# KiCad board uMule_board.kicad_pcb (continued)
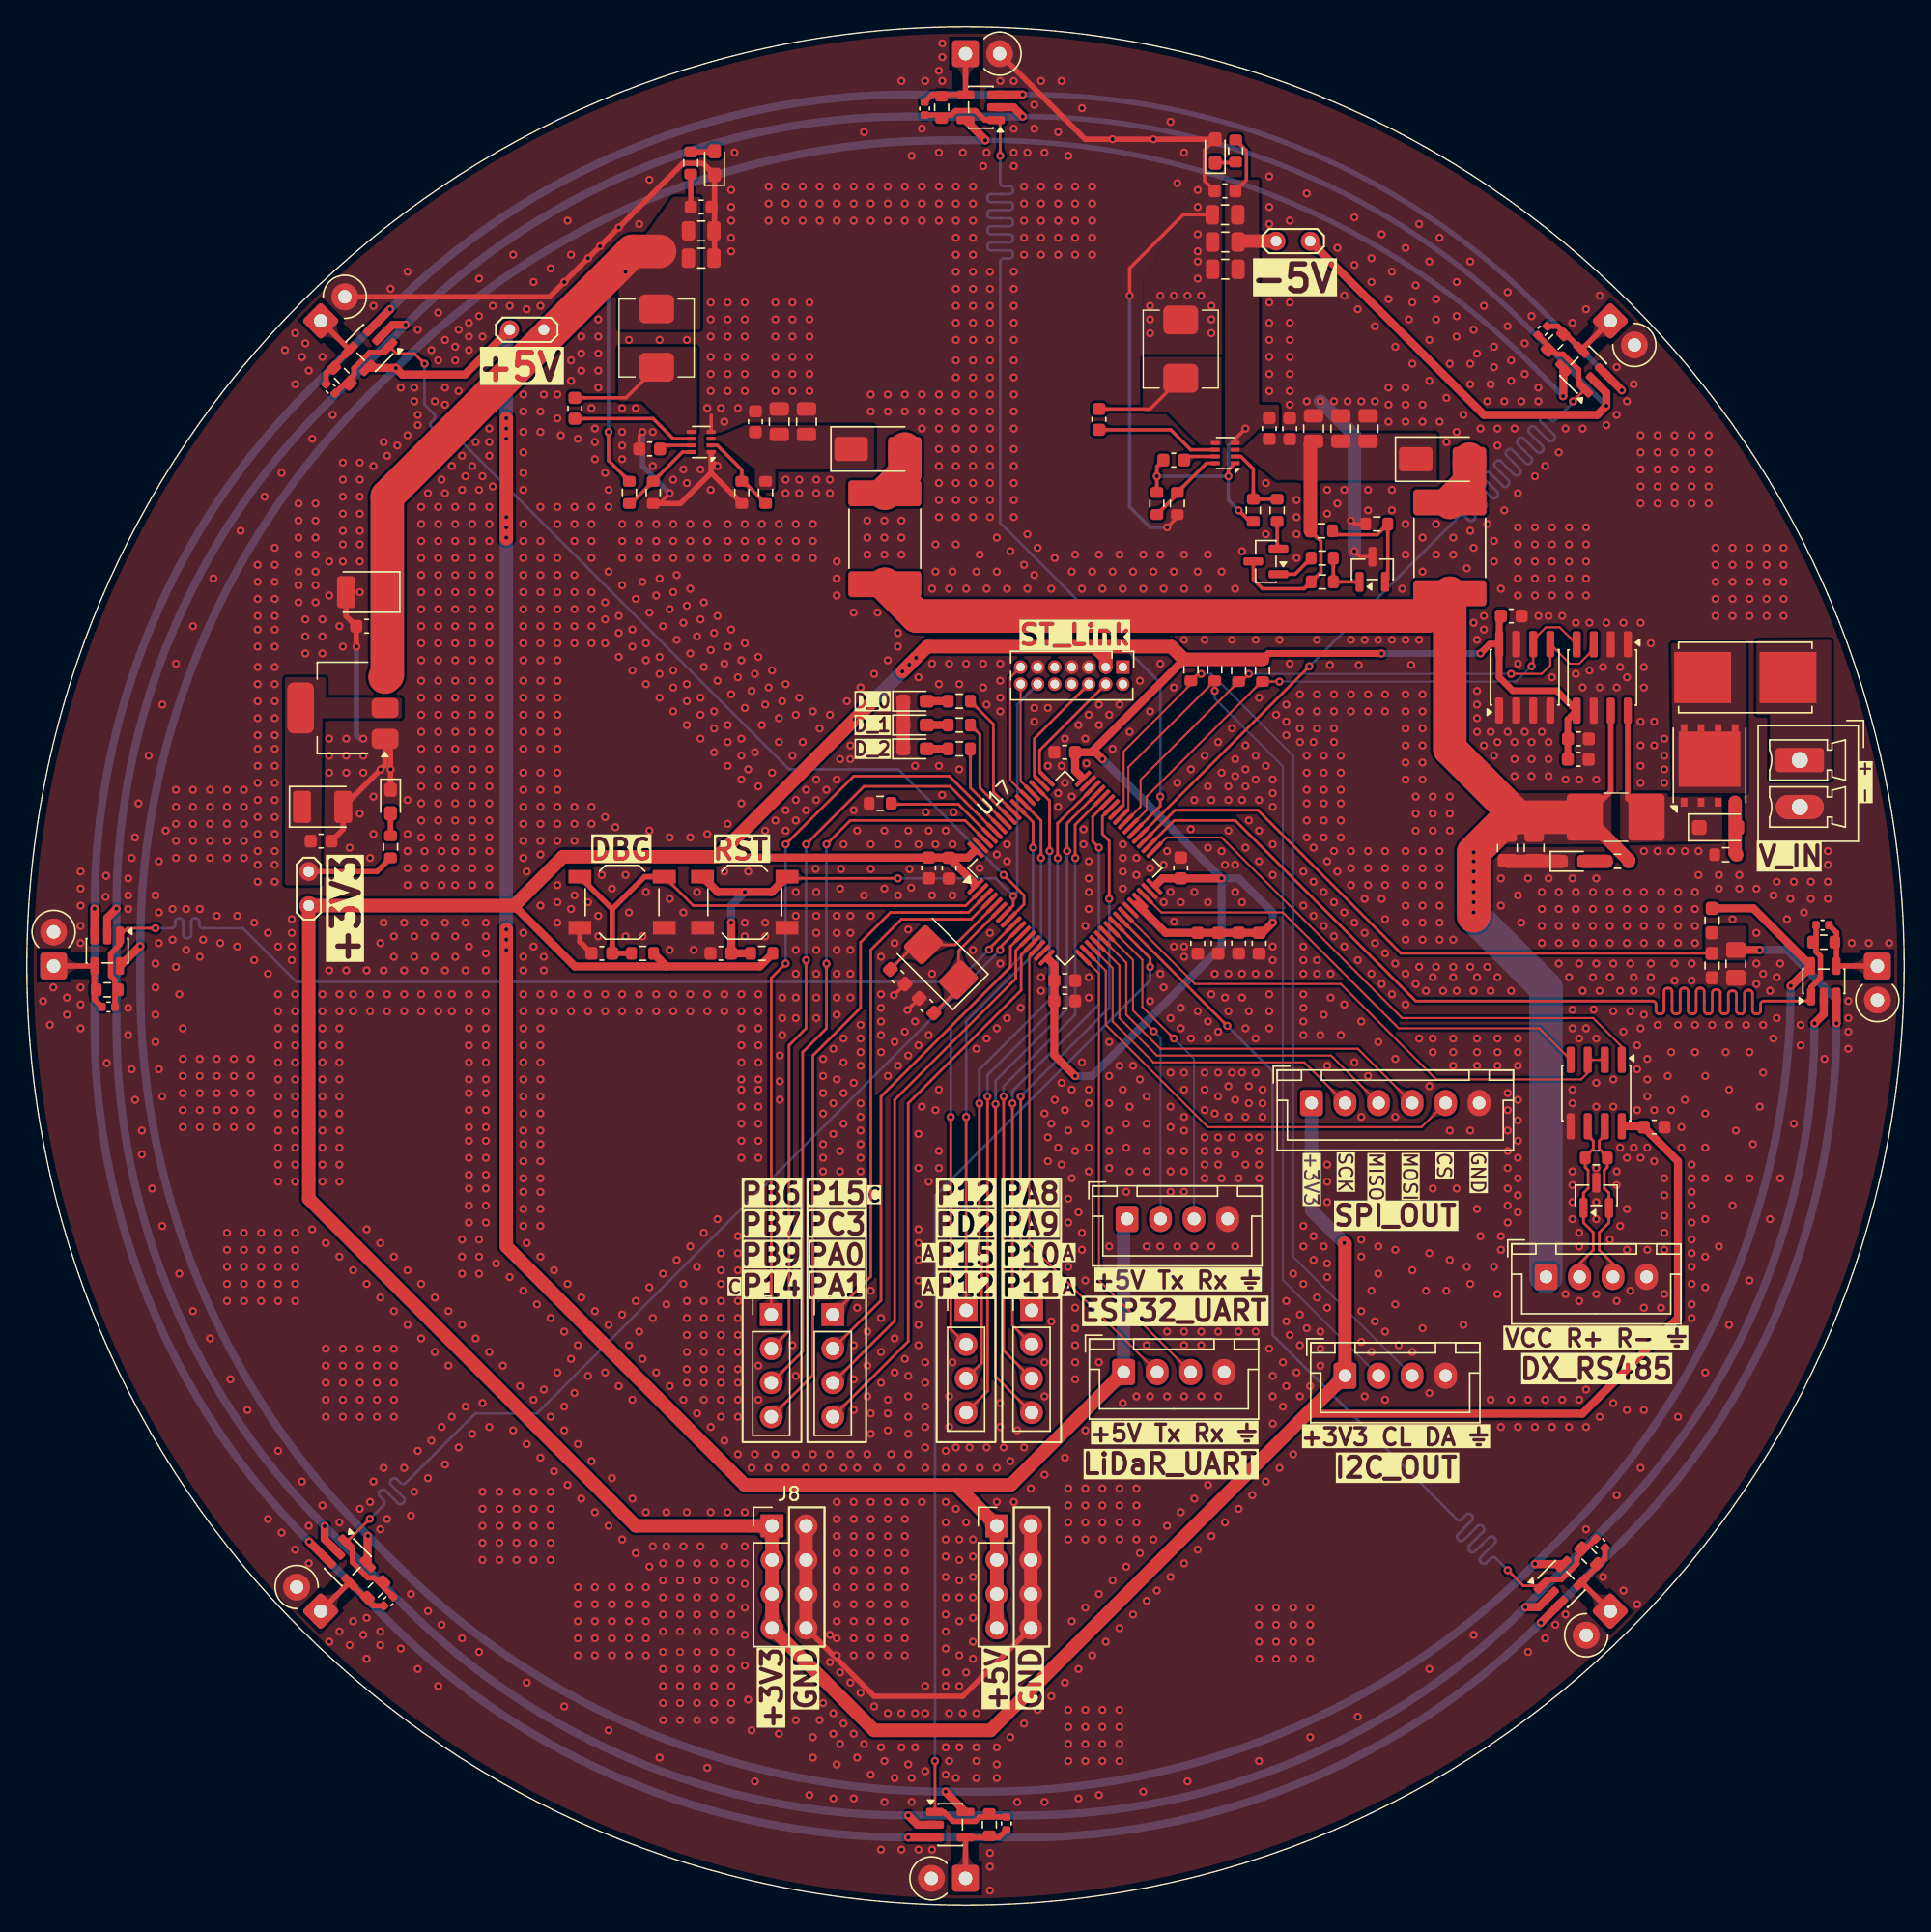
[diagram p0: board, top side]
## Routing (per net, layer and track width the routed paths; a pad name or vN(x,y) marks a point on that pad's centre or on a via; arc(x,y) is an arc through that point) (continued)
VCC: length 124
  Top w0.4: R1.2 118.12,83.02 U4.7
  Top w1: R14.1 119.45,77.91 116.27,81.09 R1.2
  Top w2.5: 107.89,73.74 v1(107.89,74.75) v1(107.89,75.52) v1(107.89,76.28) v1(107.89,77.04) v1(107.89,77.8) v1(107.89,78.47) 110.51,81.09 111.21,81.09 ; R1.2 111.21,81.09 ; 111.21,81.09 106.12,86.18 F3.1 104.42,96.09 66.35,96.09 F2.1
  Bottom w2.5: J2.1 113.29,68.34 107.89,73.74 v1(107.89,78.47)
  vias: v1(107.89,73.99)
/Communication/CS: length 35.2
  Top w0.15: J7.5 104.01,57.99 88.08,57.99 80.46,65.61 80.46,69.65 U17.18
/Communication/ESP32_RX: length 24.1
  Top w0.15: v1(85.54,64.59) 83.19,66.95 83.19,70.46 U17.23
  Bottom w0.15: v1(85.54,64.59) 87.05,63.09 J4.3
/Communication/ESP32_TX: length 22.9
  Top w0.15: U17.22 82.49,70.45 82.49,66.68 v1(84.04,65.13)
  Bottom w0.15: v1(84.04,65.13) 84.55,64.63 J4.2
/Communication/I2C_SCL: length 69.9
  Top w0.15: U17.40 82.15,81.68 82.15,84.82 R20.2 v1(88.59,90.5)
  Bottom w0.15: v1(88.59,90.5) 88.59,89.94 93.67,84.86 93.67,46.6 J6.2
/Communication/I2C_SDA: length 72.3
  Top w0.15: v1(87.57,91.77) 87.32,91.77 R21.2 86.81,91.01 81.8,85.99 81.8,82.03 U17.41
  Bottom w0.15: v1(87.57,91.77) 88.34,91.77 94.43,85.68 94.43,48.34 J6.3
/Communication/Li-Dar_RX: length 34.2
  Top w0.15: J3.3 79.95,46.57 79.95,69.45 U17.17
/Communication/Li-Dar_TX: length 35.8
  Top w0.15: U17.14 74.76,70.75 74.76,49.27 J3.2
/Communication/RS485+: length 12.6
  Top w0.2: J2.3 118.29,47.81 117.26,48.83 117.26,50.14 117.99,50.87 D11.2 117.99,53.08 117.64,53.43 117.64,54.77 117.86,54.99 R37.1 117.86,55.78 117.26,56.38 117.26,56.97 117.67,57.38 U16.7
/Communication/RS485-: length 12.6
  Top w0.2: U16.6 116.4,57.38 116.81,56.97 116.81,56.38 116.21,55.78 R37.2 116.21,54.99 116.44,54.77 116.44,53.43 116.09,53.08 D11.1 116.09,50.87 116.81,50.14 116.81,48.83 115.79,47.81 J2.2
/Communication/RS485_DI: length 36.8
  Top w0.15: U16.4 112.78,65.36 102.31,65.36 93.67,73.99 84.6,73.99 U17.30
/Communication/RS485_FC: length 42.3
  Top w0.15: U17.26 87.11,68.66 97.99,68.66 105.1,61.55 115.92,61.55 116.4,62.03 U16.3 U16.2 117.67,62.69
/Communication/RS485_RO: length 42.7
  Top w0.15: U17.33 85,79.58 89.1,79.58 102.56,66.12 116.8,66.12 118.94,63.98 U16.1
/Communication/SPI_MISO: length 28.2
  Top w0.15: J7.3 97.26,63.32 84.27,63.32 81.48,66.12 81.48,70.05 U17.20
/Communication/SPI_MOSI: length 30.5
  Top w0.15: J7.4 99.25,63.83 84.53,63.83 81.99,66.37 81.99,70.25 U17.21
/Communication/SPI_SCK: length 25.9
  Top w0.15: J7.2 95.27,62.82 84.02,62.82 80.97,65.86 80.97,69.85 U17.19
/Communication/SWCLK: length 9.3
  Top w0.2: J5.6 75.13,86.95 75.13,84.18 U17.50
/Communication/SWDIO: length 9.3
  Top w0.2: U17.49 75.53,84.48 75.53,86.08 J5.4
/Communication/VCP_RX: length 10.6
  Top w0.15: U17.53 73.34,83.85 73.34,91.5 J5.13
/Communication/VCP_TX: length 8.5
  Top w0.15: U17.52 74.11,83.78 J5.14
/GPIO/GPIO_0: length 39.1
  Top w0.2: J11.3 64.71,43.55 64.71,60.02 73.75,69.06 73.75,71.16 U17.12
/GPIO/GPIO_1: length 41.5
  Top w0.2: J11.4 65.73,42.02 65.73,59.77 74.15,68.19 74.15,70.85 U17.13
/GPIO/GPIO_2: length 41.1
  Top w0.2: U17.42 80.21,81.15 80.21,79.83 80.72,79.33 v1(80.72,75.01) ; J13.1 74.11,45.15 v1(74.11,60.28)
  Bottom w0.2: v1(80.72,75.01) 80.72,66.88 v1(74.11,60.28)
/GPIO/GPIO_3: length 44.3
  Top w0.2: J13.2 73.5,43.22 v1(73.5,59.76) ; U17.43 79.48,81.13 79.48,79.29 v1(79.95,78.82)
  Bottom w0.2: v1(79.95,78.82) 79.95,67.13 73.5,60.68 v1(73.5,59.76)
/GPIO/GPIO_4: length 47.2
  Top w0.2: J13.3 72.84,41.34 v1(72.84,60.28) ; v1(78.19,78.05) 78.18,78.06 78.18,80.53 U17.44
  Bottom w0.2: v1(78.19,78.05) 78.18,78.04 78.18,66.37 72.84,61.04 v1(72.84,60.28)
/GPIO/GPIO_5: length 50.4
  Top w0.2: U17.45 77.58,80.64 v1(77.58,78.56) ; J13.4 72.24,39.4 v1(72.24,59.71)
  Bottom w0.2: v1(77.58,78.56) 77.58,66.79 72.24,61.45 v1(72.24,59.71)
/GPIO/GPIO_6: length 50.5
  Top w0.2: J12.4 71.64,38.31 v1(71.64,60.28) ; U17.46 76.87,80.64 76.87,78.06 v1(76.88,78.05)
  Bottom w0.2: v1(71.64,60.28) 71.64,61.87 76.87,67.09 76.87,78.04 v1(76.88,78.05)
/GPIO/GPIO_7: length 47.1
  Top w0.2: J12.3 71.2,40.41 71.2,48.46 71.03,48.62 v1(71.03,59.76) ; v1(76.27,78.56) 76.27,82.33 U17.51
  Bottom w0.2: v1(76.27,78.56) 76.27,67.51 71.03,62.28 v1(71.03,59.76)
/GPIO/GPIO_8: length 55.1
  Top w0.2: v1(56.59,79.07) 61.67,84.15 68.79,84.15 U17.59 ; J10.1 55.52,69.11 v1(56.59,70.18)
  Bottom w0.2: v1(56.59,70.18) v1(56.59,79.07)
/GPIO/GPIO_9: length 55.9
  Top w0.2: J10.2 56.84,42.8 56.84,64.09 58.11,65.36 v1(58.11,70.44) ; U17.60 68.84,83.39 62.43,83.39 v1(58.11,79.07)
  Bottom w0.2: v1(58.11,70.44) v1(58.11,79.07)
/GPIO/GPIO_10: length 55
  Top w0.2: v1(59.63,79.07) 61.41,80.85 69.97,80.85 U17.62 ; J10.3 57.86,41.28 57.86,63.58 59.63,65.36 v1(59.63,70.18)
  Bottom w0.2: v1(59.63,70.18) v1(59.63,79.07)
/GPIO/GPIO_11: length 36.8
  Top w0.2: U17.11 73.71,71.83 73.71,71.82 73.35,71.45 73.35,69.93 63.7,60.28 63.7,45.07 J11.2
/GPIO/GPIO_12: length 40.7
  Top w0.2: v1(75.64,78.06) 75.64,80.84 U17.54 ; v1(70.05,58.75) J12.1
  Bottom w0.2: v1(75.64,78.06) 75.64,71.45 70.05,65.86 v1(70.05,58.75)
/GPIO/GPIO_13: length 48.8
  Top w0.2: J10.4 58.62,39.5 58.62,63.32 62.17,66.88 62.17,71.77 64.4,73.99 70.22,73.99 U17.3
/GPIO/GPIO_14: length 38.7
  Top w0.2: J11.1 62.94,46.85 62.94,71.2 65.22,73.48 70.42,73.48 U17.4
/GPIO/GPIO_15: length 43.5
  Top w0.2: v1(75.04,78.82) 75.04,80.73 U17.55 ; v1(68.9,58.75) 68.9,42.95 J12.2
  Bottom w0.2: v1(75.04,78.82) 75.04,71.61 68.9,65.48 v1(68.9,58.75)
/MCU/BOOT: length 8.3
  Top w0.2: 64.46,82.06 69.47,82.06 U17.61
/MCU/DBG_BTN: length 37.9
  Top w0.2: U17.2 70.02,74.5 49.7,74.5 SW1.1
  Top w0.4: R22.2 C39.1 43.66,74.24 ; 43.66,74.24 46.07,76.65 SW1.1 ; 43.66,74.24 SW1.1
/MCU/DBG_LED0: length 9.6
  Top w0.2: R26.1 72.08,88.03 72.08,82.98 U17.56
/MCU/DBG_LED1: length 8
  Top w0.2: U17.57 71.07,83.29 71.07,87.26 R25.1
/MCU/DBG_LED2: length 6.4
  Top w0.2: R24.1 70.36,83.28 U17.58
/MCU/NRST: length 49.4
  Top w0.2: v1(64.97,76.53) 56.81,76.53 SW2.1 ; U17.7 73.56,74.5 v1(73.56,75.22)
  Top w0.6: v1(52.52,73.23) 52.53,73.22 C40.1 R23.2 ; SW2.1 51.53,75.52 v1(53.54,75.52) 55.55,75.52 SW2.1
  Bottom w0.2: v1(64.97,76.53) 72.25,76.53 v1(73.56,75.22) 73.86,75.52 73.86,89.49 J5.12
  Bottom w0.6: v1(52.52,73.23) 52.52,74.5 v1(53.54,75.52)
/MCU/PC6/I2C4_SCL: length 41.6
  Top w0.15: U17.38 83.51,81.62 83.51,82.63 92.08,91.2 R39.2 93.41,91.2 v1(93.42,91.2) ; v1(112.21,92.35) 112.34,92.47 U7.6 112.34,94.3 113.28,95.24 114.31,95.24 U4.4
  Bottom w0.15: v1(112.21,92.35) 111.06,91.2 v1(93.42,91.2)
/MCU/PC7/I2C4_SDA: length 43.9
  Top w0.15: v1(91.13,91.77) 90.56,91.2 R38.2 83.06,83.89 83.06,81.88 U17.39 ; v1(110.69,91.77) 112.97,91.77 113.61,92.41 U7.5 115.07,92.53 115.77,92.53 116.85,93.62 U4.3
  Bottom w0.15: v1(110.69,91.77) v1(91.13,91.77)
/Photodiodes/PHO_0: length 79.7
  Top w0.2: v1(72.59,130.38) 72.59,132.74 U8.1 ; v1(84.53,82.63) 84.53,81.93 U17.37
  Top w0.4: U8.1 71.45,133.05 70.74,133.75 69.26,133.75 68.93,133.43 C41.2
  Bottom w0.2: v1(84.53,82.63) 84.53,91.09 72.59,103.03 72.59,122.49 arc(72.66,122.66) 72.83,122.73 73.3,122.73 arc(73.47,122.8) 73.54,122.97 73.54,123.09 arc(73.47,123.26) 73.3,123.33 71.87,123.33 arc(71.71,123.4) 71.63,123.57 71.63,123.69 arc(71.71,123.86) 71.87,123.93 73.3,123.93 arc(73.47,124) 73.54,124.17 73.54,124.29 arc(73.47,124.46) 73.3,124.53 71.87,124.53 arc(71.71,124.6) 71.63,124.77 71.63,124.89 arc(71.71,125.06) 71.87,125.13 73.3,125.13 arc(73.47,125.2) 73.54,125.37 73.54,125.49 arc(73.47,125.66) 73.3,125.73 71.87,125.73 arc(71.71,125.8) 71.63,125.97 71.63,126.09 arc(71.71,126.26) 71.87,126.33 73.3,126.33 arc(73.47,126.4) 73.54,126.57 73.54,126.69 arc(73.47,126.86) 73.3,126.93 71.87,126.93 arc(71.71,127) 71.63,127.17 71.63,127.29 arc(71.71,127.46) 71.87,127.53 73.3,127.53 arc(73.47,127.6) 73.54,127.77 73.54,127.89 arc(73.47,128.06) 73.3,128.13 72.83,128.13 arc(72.66,128.2) 72.59,128.37 v1(72.59,130.38)
/Photodiodes/PHO_1: length 79.7
  Top w0.2: v1(95.64,92.35) 95.64,92.34 U17.36 ; v1(115.3,112.08) U9.1
  Top w0.4: U9.1 115.72,113.44 115.72,114.44 114.55,115.61 114.09,115.61 C42.2
  Bottom w0.2: v1(95.64,92.35) 95.65,92.35 106.77,103.47 106.86,103.56 arc(107.03,103.63) 107.2,103.56 107.53,103.22 arc(107.7,103.15) 107.87,103.22 107.95,103.31 arc(108.02,103.48) 107.95,103.65 106.95,104.65 arc(106.88,104.82) 106.95,104.99 107.03,105.08 arc(107.2,105.15) 107.37,105.08 108.38,104.07 arc(108.55,104) 108.72,104.07 108.8,104.16 arc(108.87,104.33) 108.8,104.5 107.8,105.5 arc(107.73,105.67) 107.8,105.84 107.88,105.93 arc(108.05,106) 108.22,105.93 109.23,104.92 arc(109.4,104.85) 109.57,104.92 109.65,105.01 arc(109.72,105.18) 109.65,105.35 108.65,106.35 arc(108.58,106.52) 108.65,106.69 108.73,106.77 arc(108.9,106.85) 109.07,106.77 110.08,105.77 arc(110.25,105.7) 110.42,105.77 110.5,105.86 arc(110.57,106.02) 110.5,106.19 109.5,107.2 arc(109.43,107.37) 109.5,107.54 109.58,107.62 arc(109.75,107.69) 109.92,107.62 110.92,106.62 arc(111.09,106.55) 111.26,106.62 111.35,106.7 arc(111.42,106.87) 111.35,107.04 110.34,108.05 arc(110.27,108.22) 110.34,108.39 110.43,108.47 arc(110.6,108.54) 110.77,108.47 111.77,107.47 arc(111.94,107.4) 112.11,107.47 112.2,107.55 arc(112.27,107.72) 112.2,107.89 111.19,108.9 arc(111.12,109.07) 111.19,109.24 111.28,109.32 arc(111.45,109.39) 111.62,109.32 112.62,108.32 arc(112.79,108.25) 112.96,108.32 113.05,108.4 arc(113.12,108.57) 113.05,108.74 112.04,109.74 arc(111.97,109.91) 112.04,110.08 112.13,110.17 arc(112.3,110.24) 112.47,110.17 113.47,109.16 arc(113.64,109.09) 113.81,109.16 113.89,109.25 arc(113.96,109.42) 113.89,109.59 112.89,110.59 arc(112.82,110.76) 112.89,110.93 112.97,111.02 arc(113.14,111.09) 113.31,111.02 113.65,110.68 arc(113.82,110.61) 113.99,110.68 115.3,112 v1(115.3,112.08)
/Photodiodes/PHO_2: length 82.7
  Top w0.2: U10.1 132.72,67.39 129.53,67.39 arc(129.36,67.32) 129.29,67.15 129.29,66.67 arc(129.22,66.5) 129.05,66.43 128.93,66.43 arc(128.76,66.5) 128.69,66.67 128.69,67.96 arc(128.62,68.13) 128.45,68.2 128.33,68.2 arc(128.16,68.13) 128.09,67.96 128.09,66.67 arc(128.02,66.5) 127.85,66.43 127.73,66.43 arc(127.56,66.5) 127.49,66.67 127.49,67.91 arc(127.42,68.08) 127.25,68.15 127.13,68.15 arc(126.96,68.08) 126.89,67.91 126.89,66.67 arc(126.82,66.5) 126.65,66.43 126.53,66.43 arc(126.36,66.5) 126.29,66.67 126.29,68.01 arc(126.22,68.18) 126.05,68.25 125.93,68.25 arc(125.76,68.18) 125.69,68.01 125.69,66.67 arc(125.62,66.5) 125.45,66.43 125.33,66.43 arc(125.16,66.5) 125.09,66.67 125.09,68.11 arc(125.02,68.28) 124.85,68.35 124.73,68.35 arc(124.56,68.28) 124.49,68.11 124.49,66.67 arc(124.42,66.5) 124.25,66.43 124.13,66.43 arc(123.96,66.5) 123.89,66.67 123.89,68.11 arc(123.82,68.28) 123.65,68.35 123.53,68.35 arc(123.36,68.28) 123.29,68.11 123.29,66.67 arc(123.22,66.5) 123.05,66.43 122.93,66.43 arc(122.76,66.5) 122.69,66.67 122.69,68.11 arc(122.62,68.28) 122.45,68.35 122.33,68.35 arc(122.16,68.28) 122.09,68.11 122.09,66.67 arc(122.02,66.5) 121.85,66.43 121.73,66.43 arc(121.56,66.5) 121.49,66.67 121.49,67.15 arc(121.42,67.32) 121.25,67.39 103.58,67.39 90.11,80.85 85.57,80.85 U17.34
  Top w0.4: U10.1 133.05,68.42 133.75,69.12 133.75,70.74 133.43,71.07 C43.2
/Photodiodes/PHO_3: length 79.7
  Top w0.2: v1(89.53,65.53) U17.25 ; v1(110.43,24.97) 111.6,23.81 U11.1
  Top w0.4: C44.2 115.61,25.91 115.61,25.45 114.44,24.28 113.44,24.28 U11.1
  Bottom w0.2: v1(89.53,65.53) 92.91,62.15 92.91,42.5 106.65,28.75 arc(106.82,28.68) 106.99,28.75 107.35,29.11 arc(107.52,29.18) 107.69,29.11 107.78,29.03 arc(107.85,28.86) 107.78,28.69 106.71,27.63 arc(106.64,27.46) 106.71,27.29 106.8,27.2 arc(106.97,27.13) 107.14,27.2 108.2,28.27 arc(108.37,28.34) 108.54,28.27 108.62,28.18 arc(108.69,28.01) 108.62,27.84 107.56,26.78 arc(107.49,26.61) 107.56,26.44 107.65,26.35 arc(107.82,26.28) 107.99,26.35 109.05,27.42 arc(109.22,27.49) 109.39,27.42 109.47,27.33 arc(109.54,27.16) 109.47,26.99 108.41,25.93 arc(108.34,25.76) 108.41,25.59 108.5,25.51 arc(108.66,25.44) 108.83,25.51 109.2,25.87 arc(109.37,25.94) 109.54,25.87 v1(110.43,24.97)
/Photodiodes/PHO_4: length 79.6
  Top w0.2: v1(67.73,10.75) U12.1 ; v1(83.76,69.93) 83.76,70.59 U17.24
  Top w0.4: U12.1 68.39,6.95 69.09,6.25 70.74,6.25 71.07,6.57 C45.2
  Bottom w0.2: v1(83.76,69.93) 83.76,68.91 67.73,52.87 v1(67.73,10.75)
/Photodiodes/PHO_5: length 79.7
  Top w0.2: v1(72.59,71.2) 72.59,71.41 U17.10 ; v1(25.58,28.8) U13.1
  Top w0.4: C46.2 25.91,24.39 25.45,24.39 24.28,25.56 24.28,26.56 U13.1
  Bottom w0.2: v1(25.58,28.8) 26.62,29.84 arc(26.69,30.01) 26.62,30.18 26.31,30.49 arc(26.23,30.66) 26.31,30.83 26.39,30.91 arc(26.56,30.98) 26.73,30.91 27.7,29.95 arc(27.87,29.88) 28.04,29.95 28.12,30.03 arc(28.19,30.2) 28.12,30.37 27.15,31.34 arc(27.08,31.51) 27.15,31.68 27.24,31.76 arc(27.41,31.83) 27.58,31.76 27.89,31.45 arc(28.06,31.38) 28.23,31.45 33.44,36.65 38.04,36.65 v1(72.59,71.2)
/Photodiodes/PHO_6: length 79.7
  Top w0.2: U17.9 71.76,71.29 v1(71.76,71.22) ; U14.1 7.49,72.82 v1(9.6,72.82)
  Top w0.4: 6.95,72.28 6.95,71.61 6.25,70.91 6.25,69.26 6.57,68.93 C47.2
  Bottom w0.2: v1(71.76,71.22) 69.36,68.82 20.1,68.82 16.11,72.82 13.1,72.82 arc(12.93,72.89) 12.86,73.06 12.86,73.31 arc(12.79,73.48) 12.62,73.55 12.5,73.55 arc(12.33,73.48) 12.26,73.31 12.26,72.32 arc(12.19,72.15) 12.02,72.08 11.9,72.08 arc(11.73,72.15) 11.66,72.32 11.66,73.31 arc(11.59,73.48) 11.42,73.55 11.3,73.55 arc(11.13,73.48) 11.06,73.31 11.06,73.06 arc(10.99,72.89) 10.82,72.82 v1(9.6,72.82)
/Photodiodes/PHO_7: length 79.7
  Top w0.2: U17.8 74.37,74.6 74.37,75.26 v1(72.84,76.79) ; v1(29.66,114.89) 28.9,115.65 27.57,115.65 U15.1
  Top w0.4: C48.2 24.39,114.09 24.39,114.55 25.56,115.72 26.56,115.72 U15.1
  Bottom w0.2: v1(29.66,114.89) 29.66,111.84 30.39,111.11 arc(30.46,110.94) 30.39,110.77 30.14,110.53 arc(30.07,110.36) 30.14,110.19 30.23,110.11 arc(30.4,110.04) 30.57,110.11 31.39,110.93 arc(31.56,111) 31.73,110.93 31.82,110.85 arc(31.89,110.68) 31.82,110.51 30.99,109.68 arc(30.92,109.51) 30.99,109.34 31.08,109.26 arc(31.25,109.19) 31.42,109.26 32.24,110.08 arc(32.41,110.15) 32.58,110.08 32.66,110 arc(32.73,109.83) 32.66,109.66 32.42,109.42 arc(32.35,109.25) 32.42,109.08 56.84,84.66 64.97,84.66 v1(72.84,76.79)
/Photodiodes/V_{REF}: length 434.7
  Top w0.2: U17.35 85.62,81.61 91.8,81.61 102.47,70.94 R36.2
  Top w0.6: v1(129.23,71.2) C49.1 ; v1(118.95,112.91) U9.3 ; v1(112.91,21.05) U11.3 ; v1(134.95,65.73) 134.95,67.73 ; v1(27.09,118.95) U15.3 ; v1(21.05,27.09) U13.3 ; v1(5.05,74.27) U14.3 ; v1(74.27,134.95) U8.3 ; v1(65.73,5.05) U12.3
  Bottom w0.4: v1(74.27,134.95) 74.51,134.95 arc(95.2,130.84) 112.74,119.12 v1(118.95,112.91)
  Bottom w0.6: v1(74.27,134.95) 65.73,134.95 arc(44.82,130.79) v1(27.09,118.95) 21.05,112.91 arc(9.21,95.18) v1(5.05,74.27) 5.05,65.73 arc(9.21,44.82) v1(21.05,27.09) 27.09,21.05 arc(44.82,9.21) v1(65.73,5.05) 74.27,5.05 arc(95.18,9.21) v1(112.91,21.05) 118.95,27.09 arc(130.79,44.82) v1(134.95,65.73) 134.95,67.51 131.26,71.2 v1(129.23,71.2)
/Power/EN_INV: length 5.8
  Top w0.254: U5.2 90.53,107.98 91.46,107.05 R11.1 R9.2
/Power/INV_CONV_IN: length 17.4
  Top w0.254: Q2.3 91.46,98.81 92.15,98.12 95.27,98.12 R7.2 96.51,99.36 96.51,101.65 R10.1
  Top w1: C18.1 95.72,108.87 R10.1
/Power/R_SHUNT_+: length 8.5
  Top w0.4: U4.8 119.39,82.49 R1.1
Net-(D1-A): length 3.9
  Top w2.5: D1.2 65.48,106.73 F2.2
Net-(D2-A): length 4
  Top w1: R6.1 127.39,78.42 Q1.4
Net-(D3-A): length 3.8
  Top w2.5: D3.2 107.58,106.02 F3.2
Net-(D4-K): length 1.5
  Top w0.254: D4.1 90.1,129.87 R13.2
Net-(D5-A): length 1.7
  Top w1: D5.2 R14.2
Net-(D6-A): length 1.8
  Top w0.4: D6.2 51.23,130.67 R15.2
Net-(D7-A): length 1.7
  Top w0.4: D7.2 R16.2
Net-(D8-A): length 1.6
  Top w0.6: R24.2 D8.2
Net-(D9-A): length 1.6
  Top w0.6: R25.2 D9.2
Net-(D10-A): length 1.6
  Top w0.6: R26.2 D10.2
Net-(P1-K): length 6.3
  Top w0.4: C41.1 67.52,134.95 U8.4 P1.1
Net-(P2-K): length 6.3
  Top w0.4: C42.1 114.17,117.68 U9.4 P2.1
Net-(P3-K): length 6.3
  Top w0.4: C43.1 134.95,72.48 U10.4 P3.1
Net-(P4-K): length 6.3
  Top w0.4: C44.1 117.68,25.83 U11.4 P4.1
Net-(P5-K): length 6.3
  Top w0.4: P5.1 U12.4 72.48,5.05 C45.1
Net-(P6-K): length 6.3
  Top w0.4: P6.1 U13.4 25.83,22.32 C46.1
Net-(P7-K): length 6.3
  Top w0.4: P7.1 U14.4 5.05,67.52 C47.1
Net-(P8-K): length 6.3
  Top w0.4: P8.1 U15.4 22.32,114.17 C48.1
Net-(Q2-B): length 2.9
  Top w0.254: R8.2 94.58,99.2 Q2.1
Net-(Q2-E): length 2.1
  Top w0.254: R9.1 93.24,101.2 Q2.2
Net-(U1-BST): length 9.3
  Top w0.254: U1.6 48.2,109.31 46.71,110.8 C1.1
Net-(U1-EN): length 6.4
  Top w0.254: R2.2 53.44,106.12 R4.1 53.32,106.98 51.49,108.81 U1.2
Net-(U1-FB): length 6.2
  Top w0.254: U1.8 48.9,108.31 R5.1 45.06,104.47 R3.2
Net-(U1-SS): length 2.4
  Top w0.254: U1.7 47.49,108.81 C10.1
Net-(U1-SW): length 7
  Top w0.254: L1.1 44.68,112.35 C1.2
Net-(U3-K): length 3.7
  Top w0.254: R8.1 R7.1 U3.1
Net-(U3-REF): length 9
  Top w0.254: U3.2 101.49,98.83 R12.1 100.69,102.15 97.66,102.15 R10.2
Net-(U5-BST): length 9.3
  Top w0.254: U5.6 86.8,108.48 85.31,109.97 C17.1
Net-(U5-FB): length 6
  Top w0.254: U5.8 87.98,107.48 R17.2 85.8,105.17 84.27,103.65
Net-(U5-SS): length 2.4
  Top w0.254: C27.1 86.57,107.98 U5.7
Net-(U5-SW): length 7
  Top w0.254: L2.1 83.76,111.52 C17.2
Net-(U17-PF0): length 9.7
  Top w0.2: U17.5 69.23,71.59 Y1.2 66.23,71.59 C36.1
Net-(U17-PF1): length 9.7
  Top w0.2: C37.1 69.48,68.33 Y1.1 69.48,71.13 U17.6

## Copper pours and planes (outline as drawn; the poured copper is in the pictures)
/Power/+3V3_POW on Top: 27.97,89.99 27.97,88.47 22.04,88.47 21.92,76.02 19.25,76.02 19.25,91.52 22.3,91.52 22.3,89.99
/Power/+5V on Top: 44.14,117.43 44.14,121.74 48.2,127.33 50.24,127.33 50.24,117.43
/Power/-5V on Top: 89.35,108.79 90.62,108.79 91.92,110.06 93.38,110.06 93.38,111.84 91.89,111.84 91.89,128.6 89.35,128.6
GND on Top: 83.26,116.66 83.26,120.98 87.32,128.5 89.09,128.5 89.09,116.66
GND on Top, Bottom: -7.93,147.4 146.76,147.4 146.76,-10.34 -6.15,-10.59
VCC on Top: 118.17,82.89 118.17,79.07 109.42,79.06 109.42,82.88
/Photodiodes/V_{REF} on Top: 125.15,72.98 125.15,70.44 128.21,70.44 128.21,72.98
/Power/DC_CONV_IN on Top: 50.74,109.55 51.76,109.55 53.6,110.31 63.19,110.29 63.19,107.01 55.82,107.01 55.82,105.49 54.3,105.49 54.3,107.01 51.76,109.06 50.74,109.06
/Power/INV_CONV_IN on Top: 89.68,108.72 90.69,108.72 91.89,109.73 105.15,109.7 105.15,106.18 94.76,106.18 94.76,106.23 93.23,106.23 93.23,106.18 90.69,108.23 89.68,108.23
/Power/R_SHUNT_+ on Top: 126.44,82.63 126.44,79.33 118.82,79.18 118.82,82.88 122.37,82.88 122.37,82.63
/Power/VSUP+ on Top: 134.56,94.31 128.98,94.27 128.98,88.72 129.99,88.72 129.97,83.85 134.56,83.85
Net-(Q1-D) on Top: 128.21,82.88 128.21,94.06 122.63,94.06 122.78,82.88
Net-(U1-SW) on Top: 49.98,109.55 48.46,109.55 45.92,112.09 44.11,112.09 44.11,116.16 49.98,116.16
Net-(U5-SW) on Top: 89.1,108.79 87.57,108.79 85.03,111.33 83.23,111.33 83.23,115.39 89.1,115.39

Small or netless copper shapes (teardrops, artwork), in the pictures only: 374 on Top, 78 on Bottom

## Text on the board
B.Silkscreen: ~B. Łęcina | "Pyk, pyk, pyk, pyk | {dblquote}Co to za filozoia / skręcić dwa kabelki?{dblquote} | uMule_Mainboard V1.0 / Author: Oliwier Woźniak
F.Silkscreen: +3V3 | SCK | MISO | MOSI | CS | GND | + - | D_0 | D_1 | D_2 | C | A | +5V Tx Rx ⏚ | +3V3 CL DA ⏚ | VCC R+ R- ⏚ | DBG | RST | ST_Link | V_IN | LiDaR_UART | ESP32_UART | SPI_OUT | I2C_OUT | DX_RS485 | PB6 | PB7 | PB9 | P14 | P15 | PC3 | PA0 | PA1 | P12 | PD2 | PA8 | PA9 | P10 | P11 | +5V | -5V
